# Altium PCB pulser.PcbDoc (part 1 of 2)
Units mm, origin at the board's own origin, x right, y up, seen from the top; angles counter-clockwise.
Board outline 13.4 x 20 mm, 6 copper layers (Top Layer, Int1(GND), Int2(Sign), Int3 (Sign), Int4(GND), Bottom Layer), stack 0.92 mm thick; 135 components, 34 nets, 328 pads, 744 vias.
Unrouted connection lines stored in the file: 2.
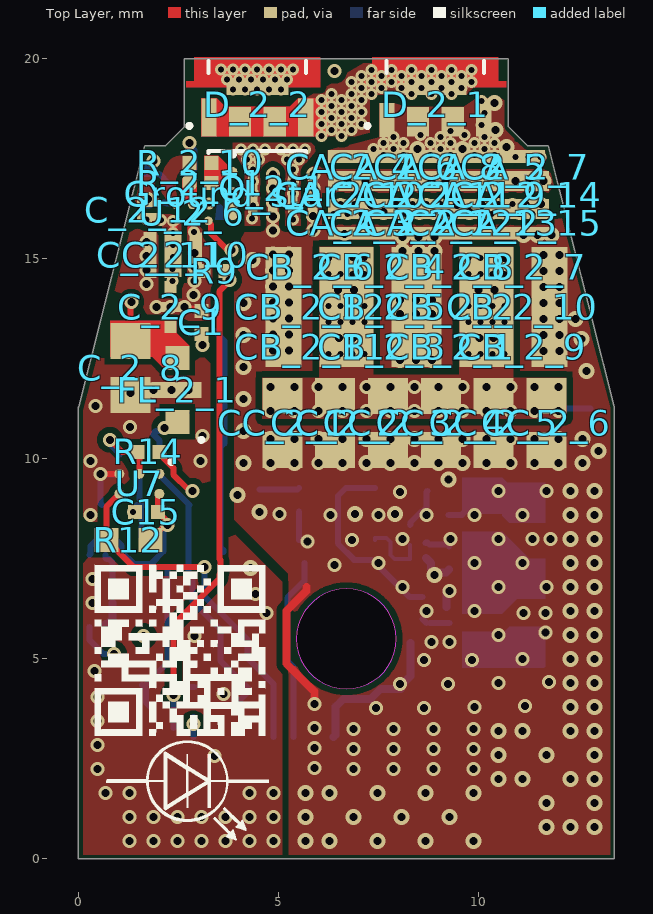
[diagram p0: Top Layer view]
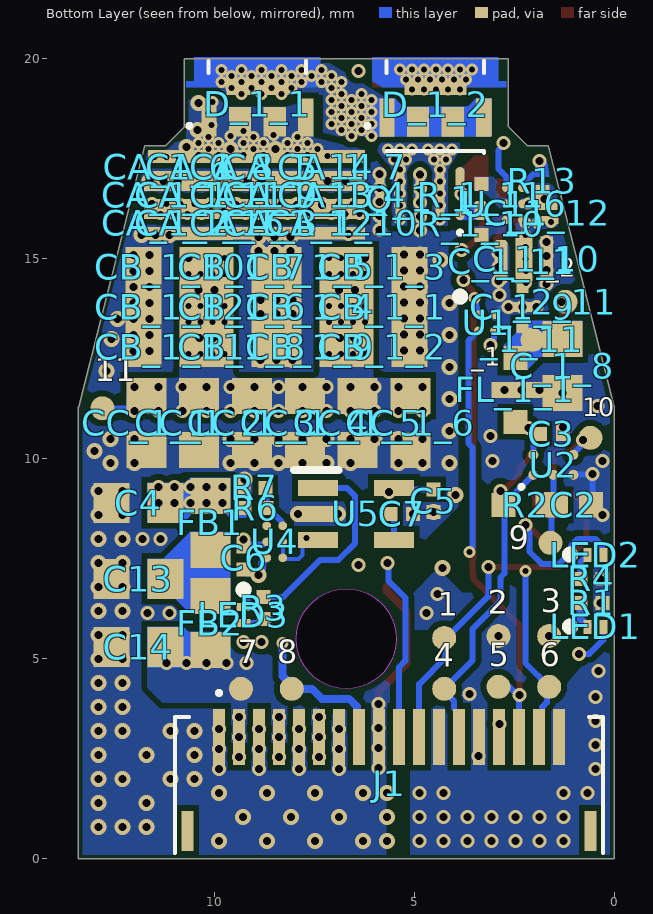
[diagram p1: Bottom Layer view, seen from below]
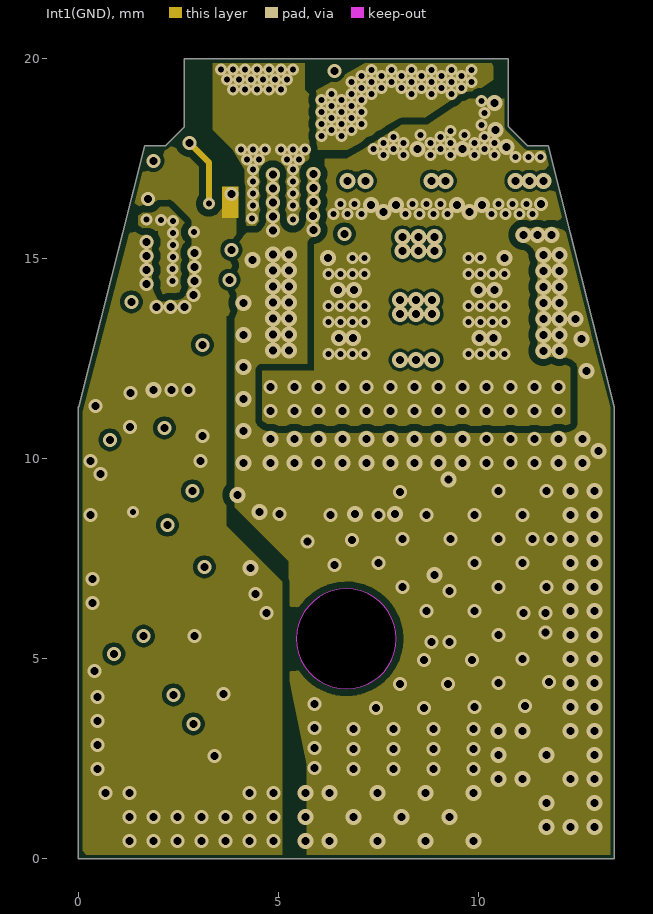
[diagram p2: Int1(GND)]
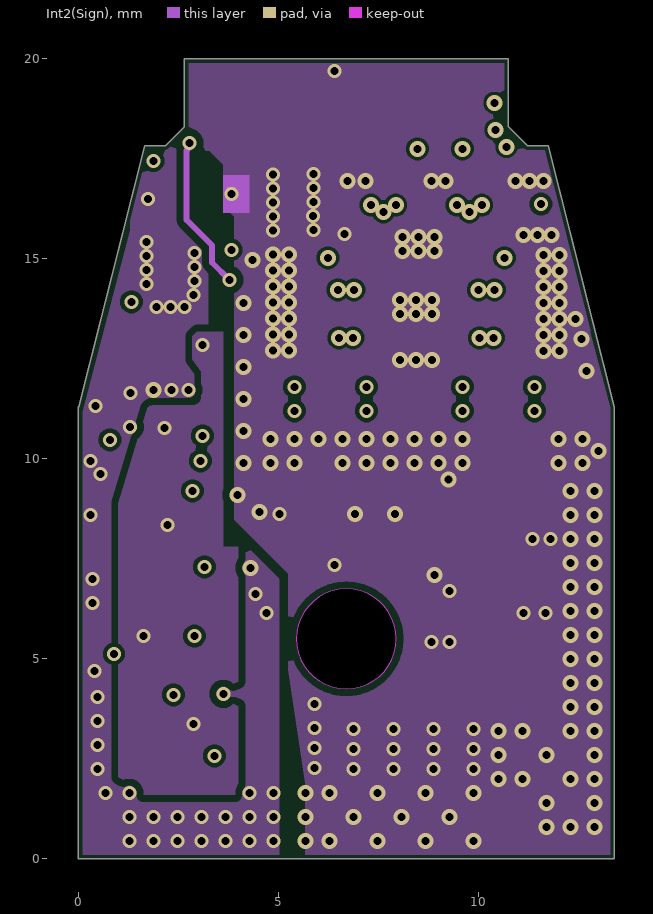
[diagram p3: Int2(Sign)]
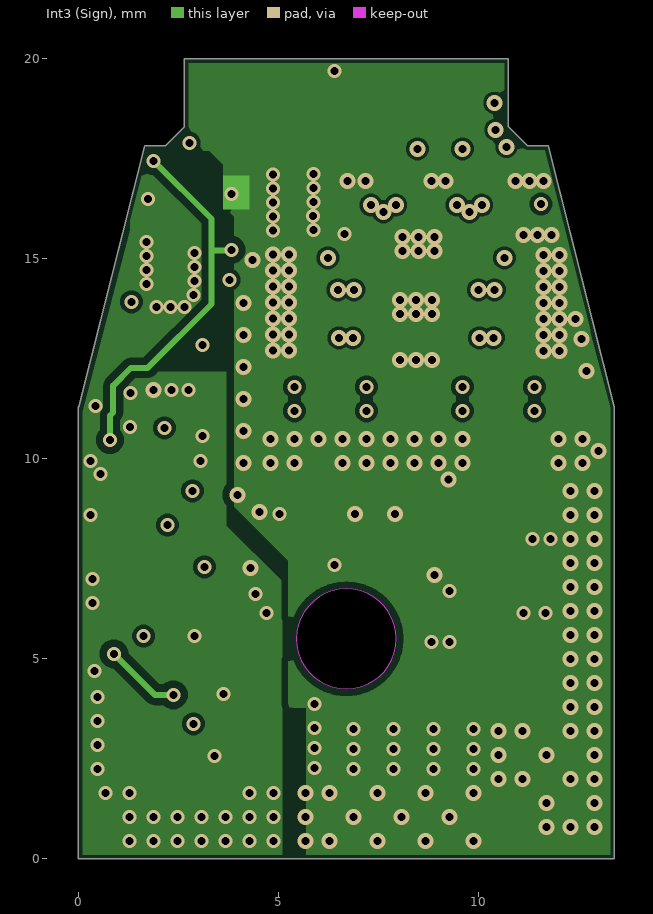
[diagram p4: Int3 (Sign)]
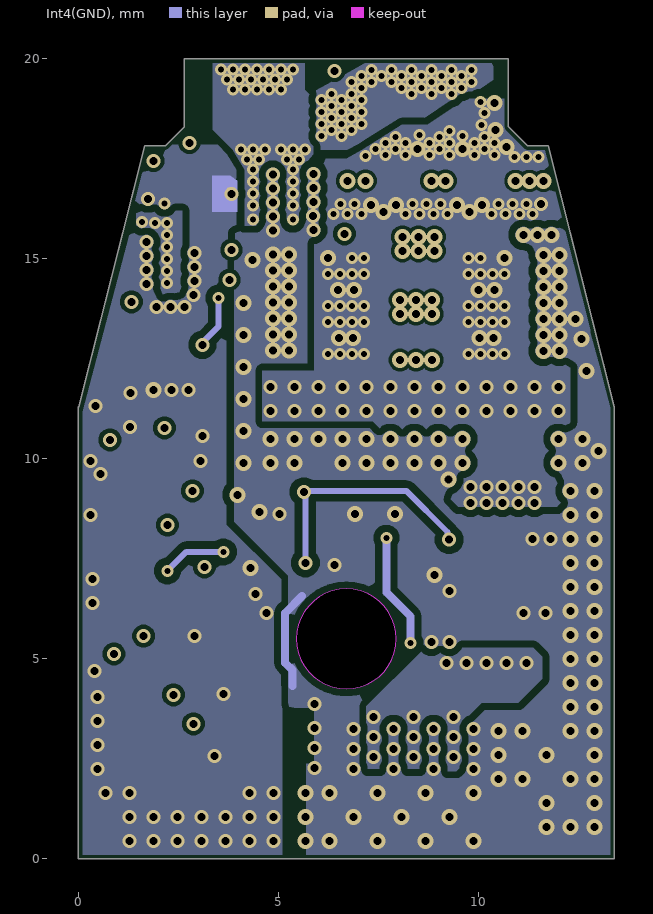
[diagram p5: Int4(GND)]
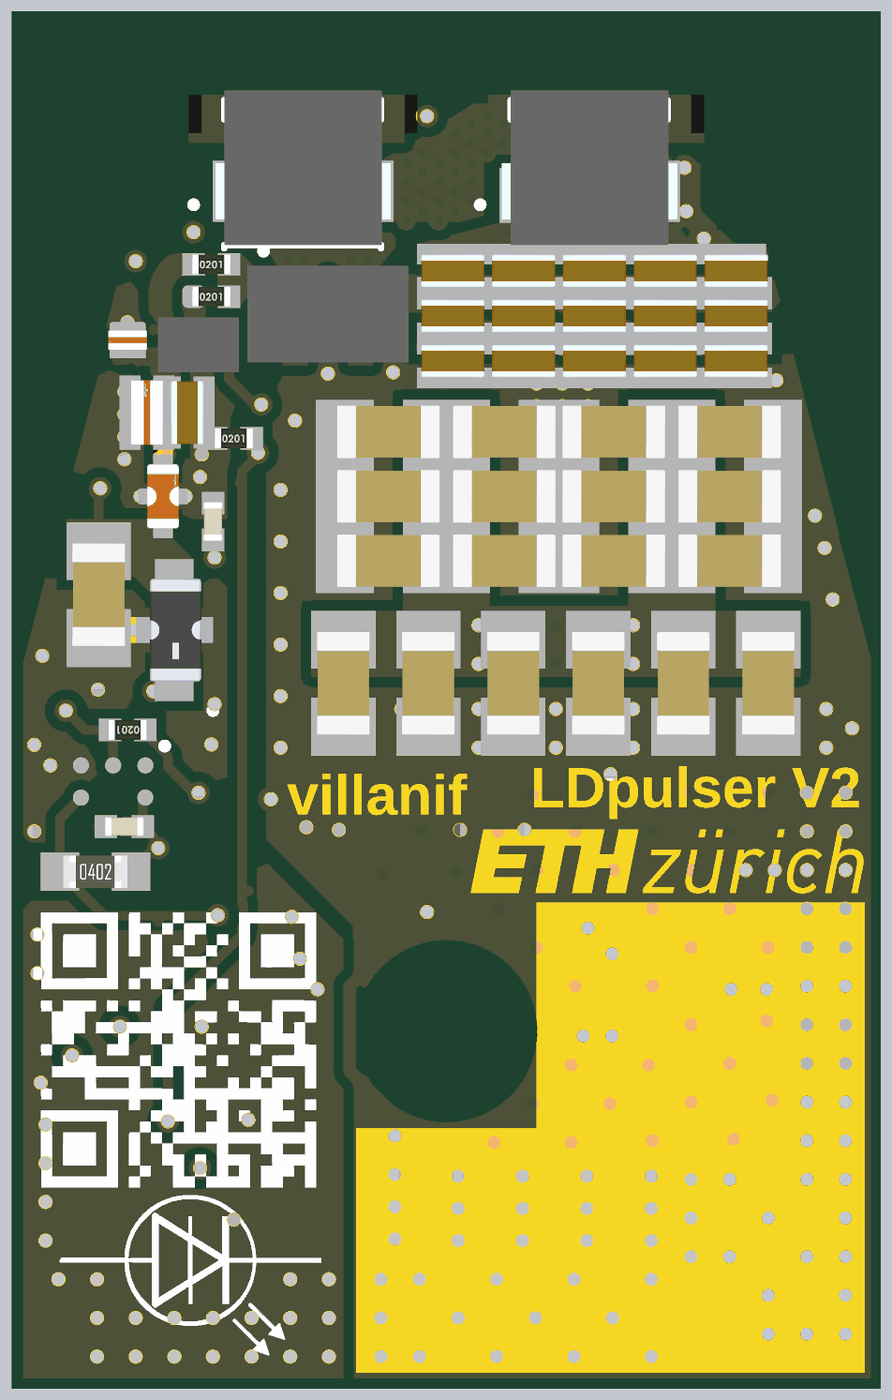
[diagram p7: 3D render of the assembled board from above, using the file's embedded part models]
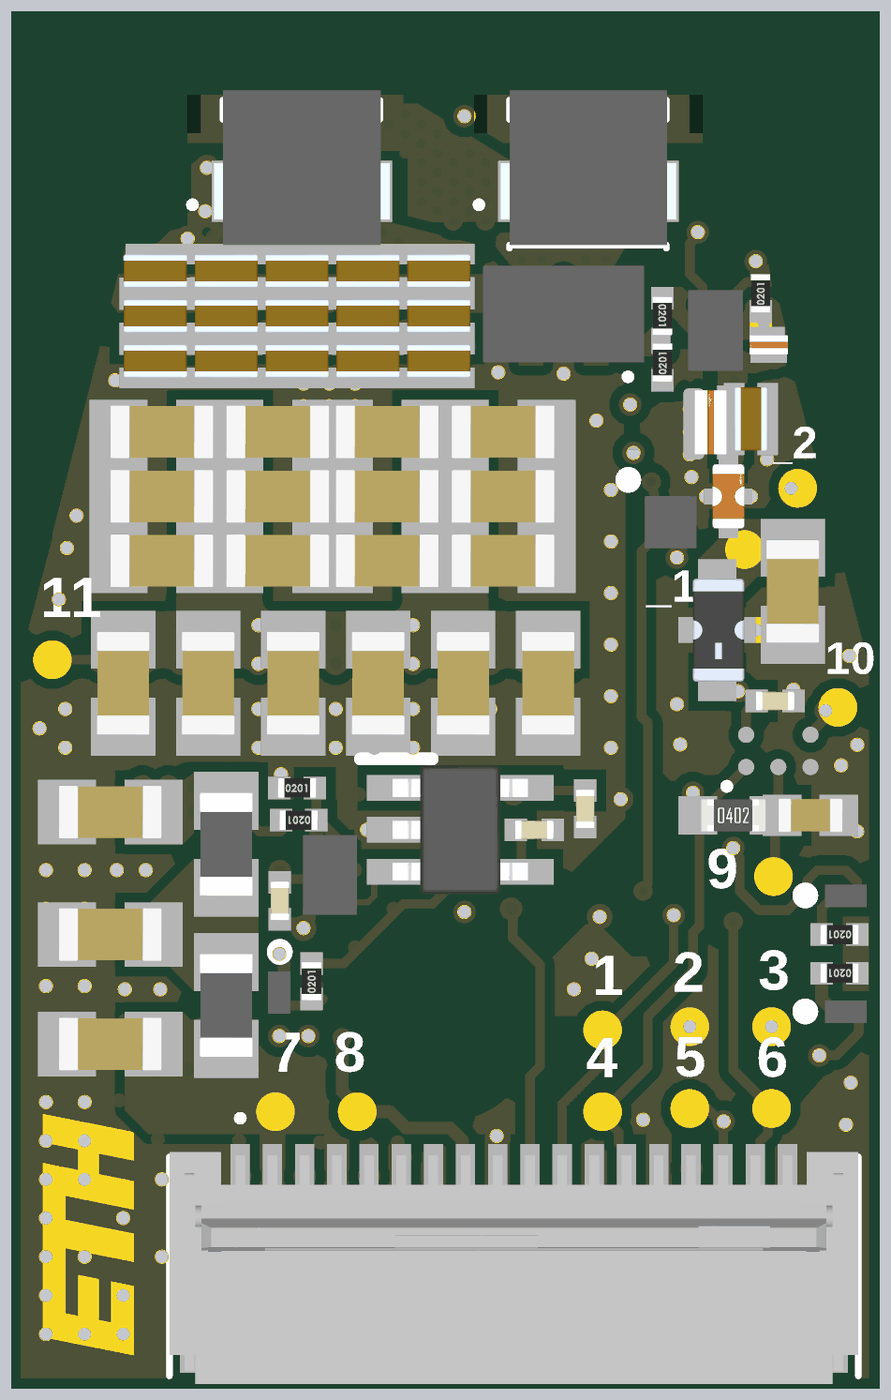
[diagram p8: 3D render of the assembled board from below, using the file's embedded part models]

## Layer stack, top to bottom
Top Solder: solder mask 0.001, SM-001, Dk 4
Top Layer: signal copper 0.035
Dielectric 1: prepreg 0.11, PP-006, Dk 4.1
Int1(GND): signal copper 0.07
Dielectric 2: core 0.11, Core-035, Dk 4.7
Int2(Sign): signal copper 0.07
Dielectric 3: prepreg 0.065, PP-006, Dk 4.1
Dielectric 5: prepreg 0.065, PP-006, Dk 4.1
Int3 (Sign): signal copper 0.07
Dielectric 6: core 0.11, Core-035, Dk 4.7
Int4(GND): signal copper 0.07
Dielectric 7: prepreg 0.11, PP-006, Dk 4.1
Bottom Layer: signal copper 0.035
Bottom Solder: solder mask 0.001, SM-001, Dk 4

## Board outline
0,0 0,11.3 0.007,11.298 1.658,17.825 2.175,17.825 2.65,18.3 2.65,20 10.75,20 10.75,18.3 11.225,17.825 11.742,17.825 13.393,11.298 13.4,11.3 13.4,0
cut-out: 5.45,5.5 ccw(c6.7,5.5) 6.7,4.25 ccw(c6.7,5.5) 7.95,5.5 ccw(c6.7,5.5) 6.7,6.75 ccw(c6.7,5.5)

## Design rules (kind name [scope] priority, off if disabled: settings)
AcuteAngle [All] p1: minimum=4.50000000000000E+0001 checktracksonly=FALSE
BoardOutlineClearance BoardOutlineClearance_1 [(OnLayer('Bottom Overlay') OR OnLayer('Top Overlay')) OR InComponent('D*')] p1: gap=0 ignorepadtopadclearanceinfootprint=FALSE
BoardOutlineClearance [All] p2: gap=0.1 ignorepadtopadclearanceinfootprint=FALSE
Clearance [OnLayer('Top Layer') Or OnLayer('Bottom Layer')] p1: gap=0.15 ignorepadtopadclearanceinfootprint=FALSE
Clearance Clearance_1 [All] p2: gap=0.18 ignorepadtopadclearanceinfootprint=FALSE
ComponentClearance [All] p1: gap=0.1 collisioncheckmode=3 verticalgap=0.1 showdistances=FALSE
DiffPairsRouting DiffPair_DiffPairsRouting [InDifferentialPair ('D1') Or InDifferentialPair ('D')] p1: maxlimit=0.192 minlimit=0.192 mostfreqgap=0.192 toplayer_minwidth=0.17 toplayer_maxwidth=0.17 toplayer_prefwidth=0.17 midlayer1_minwidth=0.381 midlayer1_maxwidth=0.381 midlayer1_prefwidth=0.381 midlayer2_minwidth=0.381 midlayer2_maxwidth=0.381 midlayer2_prefwidth=0.381 midlayer4_minwidth=0.381 midlayer4_maxwidth=0.381 midlayer4_prefwidth=0.381 midlayer5_minwidth=0.381 midlayer5_maxwidth=0.381 midlayer5_prefwidth=0.381 bottomlayer_minwidth=0.17 bottomlayer_maxwidth=0.17 bottomlayer_prefwidth=0.17 impedanceprofiledriven=TRUE maxuncoupledlength=12.7
DiffPairsRouting [All] p2: maxlimit=0.192 minlimit=0.192 mostfreqgap=0.192 toplayer_minwidth=0.17 toplayer_maxwidth=0.17 toplayer_prefwidth=0.17 midlayer1_minwidth=0.381 midlayer1_maxwidth=0.381 midlayer1_prefwidth=0.381 midlayer2_minwidth=0.381 midlayer2_maxwidth=0.381 midlayer2_prefwidth=0.381 midlayer4_minwidth=0.381 midlayer4_maxwidth=0.381 midlayer4_prefwidth=0.381 midlayer5_minwidth=0.381 midlayer5_maxwidth=0.381 midlayer5_prefwidth=0.381 bottomlayer_minwidth=0.17 bottomlayer_maxwidth=0.17 bottomlayer_prefwidth=0.17 impedanceprofiledriven=TRUE maxuncoupledlength=12.7
Height [All] p1: minheight=0 maxheight=100.4 prefheight=2.5
HoleSize microvia_holesize [IsLinkedToPadViaTemplate('v30h15m0') Or IsLinkedToPadViaTemplate('v30h15')   Or IsLinkedToPadViaTemplate('v30h15mx0')] p1: absolutevalues=TRUE maxlimit=0.15 minlimit=0.15 maxpercent=80.000 minpercent=20.000
HoleSize [All] p2: absolutevalues=TRUE maxlimit=5 minlimit=0.2 maxpercent=80.000 minpercent=20.000
HoleToHoleClearance [All] p1: gap=0.14 allowstackedmicrovias=FALSE
MatchedLengths DiffPair_MatchedLengths [InDifferentialPair ('D1') Or InDifferentialPair ('D')] p1: tolerance=0.5 checknetsindiffpair=TRUE checkdiffpairvsdiffpair=FALSE checkxsignals=FALSE checkothers=FALSE
MinimumAnnularRing [All] p1: minimumring=0.074
MinimumSolderMaskSliver [All] p1: minsoldermaskwidth=0.125
PlaneClearance [All] p1: clearance=0.15
PlaneConnect [All] p1: planeconnectstyle=Direct reliefexpansion=0.4 reliefentries=4 reliefconductorwidth=0.25 reliefairgap=0.25
PolygonConnect [All] p1: connectstyle=Direct reliefconductorwidth=0.25 reliefentries=4 polygonreliefangle="90 Angle" airgapwidth=0.25
RoutingCorners [All] p1: cornerstyle=45-Degree minsetback=1.5 maxsetback=1.5
RoutingVias microvia [IsLinkedToPadViaTemplate('v30h15m0') Or IsLinkedToPadViaTemplate('v30h15')   Or IsLinkedToPadViaTemplate('v30h15mx0')] p1: holewidth=0.15 width=0.25 viastyle="Through Hole" minholewidth=0.15 minwidth=0.25 maxholewidth=0.15 maxwidth=0.4 useviatemplates=TRUE viatemplateguid#1={216566B0-8733-4807-BE1C-7D90C39D1D73} viatemplateguid#2={8E0836B1-204D-4256-8A51-A2E4233676F5} viatemplatename#1=v30h15m0 viatemplatename#2=v30h15mx0
RoutingVias [All] p2: holewidth=0.3 width=0.6 viastyle="Through Hole" minholewidth=0.2 minwidth=0.35 maxholewidth=0.7 maxwidth=1.5
SilkToSilkClearance [All] p1: silktosilkclearance=0
SilkToSolderMaskClearance [IsPad] p1: minsilkscreentomaskgap=0 clearancetoexposedcopper=TRUE
SolderMaskExpansion SolderMaskExpansion_1 [IsVia] p1: expansion=0.05 istentingtop=TRUE
SolderMaskExpansion [All] p2: expansion=0 istentingtop=FALSE
Width [All] p1: maxlimit=1 minlimit=0.08 preferedwidth=0.2
19 further rules are at their usual default settings.

## Classes and differential pairs
channel class Pulser: PLD1 PLD2

## Components (designator, comment, footprint, x,y, rotation, side; value= is the part's Value field where it differs from the comment)
1 "Test Pad" Pad-0.6mm 4.255,5.52 r90 bottom
2 "Test Pad" Pad-0.6mm 2.9,5.57 r90 bottom
3 "Test Pad" Pad-0.6mm 1.63,5.57 r90 bottom
4 "Test Pad" Pad-0.6mm 4.255,4.25 r90 bottom
5 "Test Pad" Pad-0.6mm 2.9,4.3 r90 bottom
6 "Test Pad" Pad-0.6mm 1.63,4.3 r90 bottom
7 "Test Pad" Pad-0.6mm 9.335,4.25 r90 bottom
8 "Test Pad" Pad-0.6mm 8.065,4.25 r90 bottom
9 "Test Pad" Pad-0.6mm 1.6,7.9 r90 bottom
10 "Test Pad" Pad-0.6mm 0.6,10.525 r90 bottom
11 "Test Pad" Pad-0.6mm 12.8,11.264 r90 bottom
_1_11 "Test Pad" Pad-0.6mm 2.05,12.975 r90 bottom (schematic designator 11)
_2_11 "Test Pad" Pad-0.6mm 1.225,13.925 r90 bottom (schematic designator 11)
C1 "0.1uF" "CAP 0201_0603" 3.075,13.41 r270 top
C2 "20 pF" "CAP 0402_1005" 1.025,8.85 r0 bottom
C3 "0.1uF" "CAP 0201_0603" 1.575,10.625 r0 bottom
C4 "10uF" "CAP 0603_1608" 11.9,8.9 r180 bottom
C5 "0.1uF" "CAP 0201_0603" 4.525,8.95 r90 bottom
C6 "0.1uF" "CAP 0201_0603" 9.268,7.522 r90 bottom
C7 "0.1uF" "CAP 0201_0603" 5.315,8.625 r0 bottom
C13 "10uF" "CAP 0603_1608" 11.9,7 r180 bottom
C14 "10uF" "CAP 0603_1608" 11.9,5.3 r180 bottom
C15 "0.1uF" "CAP 0201_0603" 1.7,8.675 r0 top
C_1_8 "2.2 µF" "CAP 0603_1608" 1.3,12.325 r90 bottom (schematic designator C8)
C_1_9 "NFM15PC474R0J3D" FP-NFM15-0_05-MFG 2.3,13.8 r90 bottom value=470mF (schematic designator C9)
C_1_10 "47 nF" CAPC0510X35N#1 1.95,15 r0 bottom (schematic designator C10)
C_1_11 "1uF" FP-LLL152-0_2-MFG#1 2.575,14.95 r0 bottom (schematic designator C11)
C_1_12 "33nF" FP-LLL03T-0_03-IPC_C#1 1.675,16.15 r270 bottom (schematic designator C12)
C_2_8 "2.2 µF" "CAP 0603_1608" 1.3,12.275 r90 top (schematic designator C8)
C_2_9 "NFM15PC474R0J3D" FP-NFM15-0_05-MFG 2.3,13.8 r90 top value=470mF (schematic designator C9)
C_2_10 "47 nF" CAPC0510X35N#1 2.675,15.1 r180 top (schematic designator C10)
C_2_11 "1uF" FP-LLL152-0_2-MFG#2 2.05,15.1 r180 top (schematic designator C11)
C_2_12 "33nF" FP-LLL03T-0_03-IPC_C#2 1.75,16.225 r270 top (schematic designator C12)
CA_1_1 "47 nF" CAPC0510X35N#1 11.2,16.598 r270 bottom (schematic designator CA1)
CA_1_2 "47 nF" CAPC0510X35N#1 11.2,15.899 r90 bottom (schematic designator CA2)
CA_1_3 "47 nF" CAPC0510X35N#1 9,15.9 r90 bottom (schematic designator CA3)
CA_1_4 "47 nF" CAPC0510X35N#1 6.8,16.6 r270 bottom (schematic designator CA4)
CA_1_5 "47 nF" CAPC0510X35N#1 9,17.298 r90 bottom (schematic designator CA5)
CA_1_6 "47 nF" CAPC0510X35N#2 11.2,17.298 r270 bottom (schematic designator CA6)
CA_1_7 "47 nF" CAPC0510X35N#1 6.8,17.3 r90 bottom (schematic designator CA7)
CA_1_8 "47 nF" CAPC0510X35N#1 10.1,17.298 r90 bottom (schematic designator CA8)
CA_1_9 "47 nF" CAPC0510X35N#1 9,16.598 r270 bottom (schematic designator CA9)
CA_1_10 "47 nF" CAPC0510X35N#1 6.8,15.9 r90 bottom (schematic designator CA10)
CA_1_11 "47 nF" CAPC0510X35N#1 10.1,16.598 r270 bottom (schematic designator CA11)
CA_1_12 "47 nF" CAPC0510X35N#1 7.9,15.9 r270 bottom (schematic designator CA12)
CA_1_13 "47 nF" CAPC0510X35N#1 7.9,16.598 r90 bottom (schematic designator CA13)
CA_1_14 "47 nF" CAPC0510X35N#1 7.9,17.298 r90 bottom (schematic designator CA14)
CA_1_15 "47 nF" CAPC0510X35N#1 10.1,15.898 r90 bottom (schematic designator CA15)
CA_2_1 "47 nF" CAPC0510X35N#1 7.9,16.6 r270 top (schematic designator CA1)
CA_2_2 "47 nF" CAPC0510X35N#1 7.9,15.9 r90 top (schematic designator CA2)
CA_2_3 "47 nF" CAPC0510X35N#1 6.8,15.9 r90 top (schematic designator CA3)
CA_2_4 "47 nF" CAPC0510X35N#1 6.8,17.3 r90 top (schematic designator CA4)
CA_2_5 "47 nF" CAPC0510X35N#1 10.1,17.3 r90 top (schematic designator CA5)
CA_2_6 "47 nF" CAPC0510X35N#1 7.9,17.3 r270 top (schematic designator CA6)
CA_2_7 "47 nF" CAPC0510X35N#3 11.2,17.3 r90 top (schematic designator CA7)
CA_2_8 "47 nF" CAPC0510X35N#1 9,17.3 r90 top (schematic designator CA8)
CA_2_9 "47 nF" CAPC0510X35N#1 10.1,16.6 r270 top (schematic designator CA9)
CA_2_10 "47 nF" CAPC0510X35N#1 6.8,16.6 r270 top (schematic designator CA10)
CA_2_11 "47 nF" CAPC0510X35N#1 9,16.6 r270 top (schematic designator CA11)
CA_2_12 "47 nF" CAPC0510X35N#1 9,15.9 r270 top (schematic designator CA12)
CA_2_13 "47 nF" CAPC0510X35N#1 10.1,15.9 r270 top (schematic designator CA13)
CA_2_14 "47 nF" CAPC0510X35N#1 11.2,16.6 r270 top (schematic designator CA14)
CA_2_15 "47 nF" CAPC0510X35N#1 11.2,15.9 r90 top (schematic designator CA15)
CB_1_1 "2.2 µF" "CAP 0603_1608" 5.8,13.8 r0 bottom (schematic designator CB1)
CB_1_2 "2.2 µF" "CAP 0603_1608" 5.8,12.8 r0 bottom (schematic designator CB2)
CB_1_3 "2.2 µF" "CAP 0603_1608" 5.8,14.8 r0 bottom (schematic designator CB3)
CB_1_4 "2.2 µF" "CAP 0603_1608" 7.6,13.8 r180 bottom (schematic designator CB4)
CB_1_5 "2.2 µF" "CAP 0603_1608" 7.6,14.8 r180 bottom (schematic designator CB5)
CB_1_6 "2.2 µF" "CAP 0603_1608" 9.3,13.8 r0 bottom (schematic designator CB6)
CB_1_7 "2.2 µF" "CAP 0603_1608" 9.3,14.8 r0 bottom (schematic designator CB7)
CB_1_8 "2.2 µF" "CAP 0603_1608" 9.3,12.8 r0 bottom (schematic designator CB8)
CB_1_9 "2.2 µF" "CAP 0603_1608" 7.6,12.8 r180 bottom (schematic designator CB9)
CB_1_10 "2.2 µF" "CAP 0603_1608" 11.1,14.8 r180 bottom (schematic designator CB10)
CB_1_11 "2.2 µF" "CAP 0603_1608" 11.1,12.8 r180 bottom (schematic designator CB11)
CB_1_12 "2.2 µF" "CAP 0603_1608" 11.1,13.8 r180 bottom (schematic designator CB12)
CB_2_1 "2.2 µF" "CAP 0603_1608" 9.3,12.8 r0 top (schematic designator CB1)
CB_2_2 "2.2 µF" "CAP 0603_1608" 9.3,13.8 r0 top (schematic designator CB2)
CB_2_3 "2.2 µF" "CAP 0603_1608" 7.6,12.8 r180 top (schematic designator CB3)
CB_2_4 "2.2 µF" "CAP 0603_1608" 7.6,14.8 r180 top (schematic designator CB4)
CB_2_5 "2.2 µF" "CAP 0603_1608" 7.6,13.8 r180 top (schematic designator CB5)
CB_2_6 "2.2 µF" "CAP 0603_1608" 5.8,14.8 r0 top (schematic designator CB6)
CB_2_7 "2.2 µF" "CAP 0603_1608" 11.1,14.8 r180 top (schematic designator CB7)
CB_2_8 "2.2 µF" "CAP 0603_1608" 9.3,14.8 r0 top (schematic designator CB8)
CB_2_9 "2.2 µF" "CAP 0603_1608" 11.1,12.8 r180 top (schematic designator CB9)
CB_2_10 "2.2 µF" "CAP 0603_1608" 11.1,13.8 r180 top (schematic designator CB10)
CB_2_11 "2.2 µF" "CAP 0603_1608" 5.8,12.8 r0 top (schematic designator CB11)
CB_2_12 "2.2 µF" "CAP 0603_1608" 5.8,13.8 r0 top (schematic designator CB12)
CC_1_1 "10uF" "CAP 0603_1608" 11.7,10.9 r90 bottom (schematic designator CC1)
CC_1_2 "10uF" "CAP 0603_1608" 10.38,10.9 r90 bottom (schematic designator CC2)
CC_1_3 "10uF" "CAP 0603_1608" 9.06,10.9 r90 bottom (schematic designator CC3)
CC_1_4 "10uF" "CAP 0603_1608" 7.74,10.9 r90 bottom (schematic designator CC4)
CC_1_5 "10uF" "CAP 0603_1608" 6.42,10.9 r90 bottom (schematic designator CC5)
CC_1_6 "10uF" "CAP 0603_1608" 5.1,10.9 r90 bottom (schematic designator CC6)
CC_2_1 "10uF" "CAP 0603_1608" 5.1,10.9 r90 top (schematic designator CC1)
CC_2_2 "10uF" "CAP 0603_1608" 6.42,10.9 r90 top (schematic designator CC2)
CC_2_3 "10uF" "CAP 0603_1608" 7.74,10.9 r90 top (schematic designator CC3)
CC_2_4 "10uF" "CAP 0603_1608" 9.06,10.9 r90 top (schematic designator CC4)
CC_2_5 "10uF" "CAP 0603_1608" 10.38,10.9 r90 top (schematic designator CC5)
CC_2_6 "10uF" "CAP 0603_1608" 11.7,10.9 r90 top (schematic designator CC6)
D_1_1 "SPL_S4L90A_3_A01" SPLS4L90A_3A01#1 8.925,18.9 r180 bottom (schematic designator D1)
D_1_2 "SPL_S4L90A_3_A01" SPLS4L90A_3A01#1 4.475,18.9 r180 bottom (schematic designator D2)
D_2_1 "SPL_S4L90A_3_A01" SPLS4L90A_3A01#2 8.925,18.9 r0 top (schematic designator D1)
D_2_2 "SPL_S4L90A_3_A01" SPLS4L90A_3A01#3 4.475,18.9 r0 top (schematic designator D2)
FB1 "=Value" "FER 0603_1608" 10.1,8.4 r270 bottom
FB2 "=Value" "FER 0603_1608" 10.1,5.9 r270 bottom
FL_1_1 "NFL18ZT506H1A3D" NFL18ST107H1A3D 2.475,11.725 r90 bottom (schematic designator FL1)
FL_2_1 "NFL18ZT506H1A3D" NFL18ST107H1A3D 2.475,11.725 r90 top (schematic designator FL1)
Ground_star "gnd_tie" GND_TIE 3.825,16.625 r0 top net-tie
J1 "503480-1800" 5034801800 5.633,1.825 r0 bottom
LED1 "APG0603SEC-E-TT" APG0603SECETT 0.475,5.8 r180 bottom
LED2 "APG0603VBC-A1-5MAV" APG0603SECETT 0.475,7.6 r180 bottom
LED3 "APG0603ZGC-5MAV" APG0603SECETT 9.275,6.1 r270 bottom
Q_1_1 "EPC2619ENGRT" EPC2619ENGRT 4.86,16.63 r0 bottom (schematic designator Q1)
Q_2_1 "EPC2619ENGRT" EPC2619ENGRT 4.86,16.63 r0 top (schematic designator Q1)
R1 "470" "RES 0201_0603"#1 0.575,6.4 r0 bottom
R2 "4.99 k" "RES 0402_1005" 2.225,8.85 r180 bottom
R3 "51" "RES 0201_0603"#1 8.775,6.275 r90 bottom
R4 "470" "RES 0201_0603"#1 0.575,7 r0 bottom
R6 "1 M" "RES 0201_0603"#1 8.975,8.775 r0 bottom
R7 "100k" "RES 0201_0603"#1 9,9.275 r180 bottom
R9 "4.99 k" "RES 0201_0603"#1 3.4,14.7 r0 top
R12 "4.99 k" "RES 0402_1005" 1.25,7.975 r0 top
R13 "4.99 k" "RES 0201_0603"#2 1.8,16.95 r90 bottom
R14 "0" "RES 0201_0603"#1 1.75,10.175 r180 top
R_1_10 "2" "RES 0201_0603"#3 3.325,15.875 r90 bottom (schematic designator R10)
R_1_11 "2" "RES 0201_0603"#4 3.325,16.6 r270 bottom (schematic designator R11)
R_2_10 "2" "RES 0201_0603"#1 3.05,17.4 r0 top (schematic designator R10)
R_2_11 "2" "RES 0201_0603"#5 3.05,16.9 r0 top (schematic designator R11)
U1 "LM94023BITME_NOPB" BGA4C40P2X2_81X81X68 3.2,13.4 r180 bottom
U2 "SN74LVC1G08YZPR" YZP0005ADAD 1.525,9.85 r90 bottom
U4 "MAX40007ANT+" BGA6C40P3X2_124X84X69 8.49,7.925 r270 bottom
U5 "MAX9118EXK+T" SOT65P210X110-5N 6.465,8.625 r180 bottom
U7 "SN74LVC1G06YZPR" YZP0005ADAD 1.525,9.375 r270 top
U_1_6 "LMG1020YFFR" BGA6C40P2X3_86X126X62 2.5,16.375 r0 bottom (schematic designator U6)
U_2_6 "LMG1020YFFR" BGA6C40P2X3_86X126X62 2.85,16.15 r90 top (schematic designator U6)

## Footprints (in the part's own frame and the unit in brackets; to place one, negate y for a bottom-side part, rotate by r counter-clockwise, add the part's x,y. Pads: shape width x height; smd on the part's side, far side on the other; paste and mask are expansions set on the pad)
5034801800 [mm]
  rect 0.3x1.4 smd: 1(4.25,-1.225) 2(3.75,-1.225) 3(3.25,-1.225) 4(2.75,-1.225) 5(2.25,-1.225) 6(1.75,-1.225) 7(1.25,-1.225) 8(0.75,-1.225) 9(0.25,-1.225) 10(-0.25,-1.225) 11(-0.75,-1.225) 12(-1.25,-1.225) 13(-1.75,-1.225) 14(-2.25,-1.225) 15(-2.75,-1.225) 16(-3.25,-1.225) 17(-3.75,-1.225) 18(-4.25,-1.225)
  rect 0.3x1 smd: MP1(5.04,1.125) MP2(-5.04,1.125)
  silkscreen extent -5.35,-2.37 5.35,1.67, body extent -5.35,-1.8 5.35,1.8, height 1.85
APG0603SECETT [mm]
  rect 0.2x0.35 smd: 1(-0.2,0) 2(0.2,0)
  silkscreen extent -0.73,-0.09 -0.53,0.11, body extent -0.33,-0.18 0.33,0.18, height 0.3
BGA4C40P2X2_81X81X68 [mm]
  round 0.212 smd: A1(-0.2,0.2) A2(0.2,0.2) B1(-0.2,-0.2) B2(0.2,-0.2)
  silkscreen extent -0.76,0.56 -0.56,0.76, body extent -0.41,-0.41 0.41,0.41, height 0.67
BGA6C40P2X3_86X126X62 [mm]
  round 0.22 smd: A1(-0.2,0.4) A2(0.2,0.4) B1(-0.2,0) B2(0.2,0) C1(-0.2,-0.4) C2(0.2,-0.4)
  body extent -0.43,-0.63 0.43,0.63, height 0.63
BGA6C40P3X2_124X84X69 [mm]
  round 0.22 smd: A1(-0.4,0.2) A2(0,0.2) A3(0.4,0.2) B1(-0.4,-0.2) B2(0,-0.2) B3(0.4,-0.2)
  body extent -0.62,-0.42 0.62,0.42, height 0.69
"CAP 0201_0603" [mm] "Chip Capacitor, 2-Leads, Body 0.60x0.30mm, IPC Medium Density"
  rect 0.35x0.35 smd: 1(-0.285,0) 2(0.285,0)
  body extent -0.3,-0.15 0.3,0.15, height 0.3
"CAP 0402_1005" [mm] "Chip Capacitor, 2-Leads, Body 1.02x0.51mm, IPC Medium Density"
  rect 0.6x0.64 smd: 1(-0.44,0) 2(0.44,0)
  body extent -0.5,-0.26 0.5,0.26, height 0.52
"CAP 0603_1608" [mm] "Chip Capacitor, 2-Leads, Body 1.60x0.80mm, IPC Medium Density"
  rect 0.9x1 smd: 1(-0.675,0) 2(0.675,0)
  body extent -0.8,-0.41 0.8,0.41, height 0.82
CAPC0510X35N#1 [mm]
  rect 0.323x1.12 smd: 1(-0.26,0)
  rect 0.32x1.12 smd: 2(0.26,0)
  body extent -0.26,-0.5 0.26,0.5, height 0.35
CAPC0510X35N#2 [mm]
  rect 0.323x1.05 smd: 1(-0.26,0.06)
  rect 0.32x1.12 smd: 2(0.26,0)
  body extent -0.26,-0.5 0.26,0.5, height 0.35
CAPC0510X35N#3 [mm]
  rect 0.323x1.12 smd: 1(-0.26,0)
  rect 0.32x1.05 smd: 2(0.26,0.06)
  body extent -0.26,-0.5 0.26,0.5, height 0.35
EPC2619ENGRT [mm]
  rrect100% 0.23x0.28 smd: 1(-1,0.525)
  rrect100% 0.23x0.805 smd: 2(-1,-0.262)
  rrect100% 0.23x1.155 smd: 3(-0.5,0) 5(0.5,0)
  rrect100% 0.23x1.33 smd: 4(0,0) 6(1,0)
  silkscreen extent -1.05,0.93 -0.95,1.03, body extent -1.25,-0.75 1.25,0.75, height 0.74
"FER 0603_1608" [mm] "Chip Ferrite, 2-Leads, Body 1.60x0.80mm, IPC Medium Density"
  rect 0.9x1 smd: 1(-0.675,0) 2(0.675,0)
  body extent -0.8,-0.41 0.8,0.41, height 0.82
FP-LLL03T-0_03-IPC_C#1 [mm]
  rect 0.206x0.55 smd paste+0 mask+0: 1(-0.178,-0.025)
  rect 0.206x0.563 smd paste+0 mask+0: 2(0.178,0)
  body extent -0.15,-0.3 0.15,0.3, height 0.2
FP-LLL03T-0_03-IPC_C#2 [mm]
  rrect50% 0.206x0.563 smd paste+0 mask+0: 1(-0.178,0)
  rect 0.206x0.563 smd paste+0 mask+0: 2(0.178,0)
  body extent -0.15,-0.3 0.15,0.3, height 0.2
FP-LLL152-0_2-MFG#1 [mm]
  rect 0.325x1.15 smd paste+0 mask+0: 1(-0.262,0)
  rrect50% 0.325x1.1 smd paste+0 mask+0: 2(0.262,0.025)
  body extent -0.25,-0.5 0.25,0.5, height 0.22
FP-LLL152-0_2-MFG#2 [mm]
  rect 0.325x1.15 smd paste+0 mask+0: 1(-0.262,0) 2(0.262,0)
  body extent -0.53,-0.7 0.53,0.7, height 0.25
FP-NFM15-0_05-MFG [mm]
  rect 0.3x0.3 smd paste+0 mask+0: 1(-0.5,0) 3(0.5,0)
  rect 0.25x0.25 smd paste+0 mask+0: 2(0,-0.25) 2(0,0.25)
  body extent -0.5,-0.25 0.5,0.25, height 0.35